# Altium PCB DDR3_Example.PcbDoc (part 3 of 6)
Units mm, origin at the board's own origin, x right, y up, seen from the top; angles counter-clockwise.
Board outline 133.38 x 30.03 mm, 6 copper layers (TOP, SPLIT1_L2, IN1_L3, IN2_L4, SPLIT2_L5, BOTTOM), stack 1.246 mm thick; 131 components, 227 nets, 1523 pads, 910 vias.
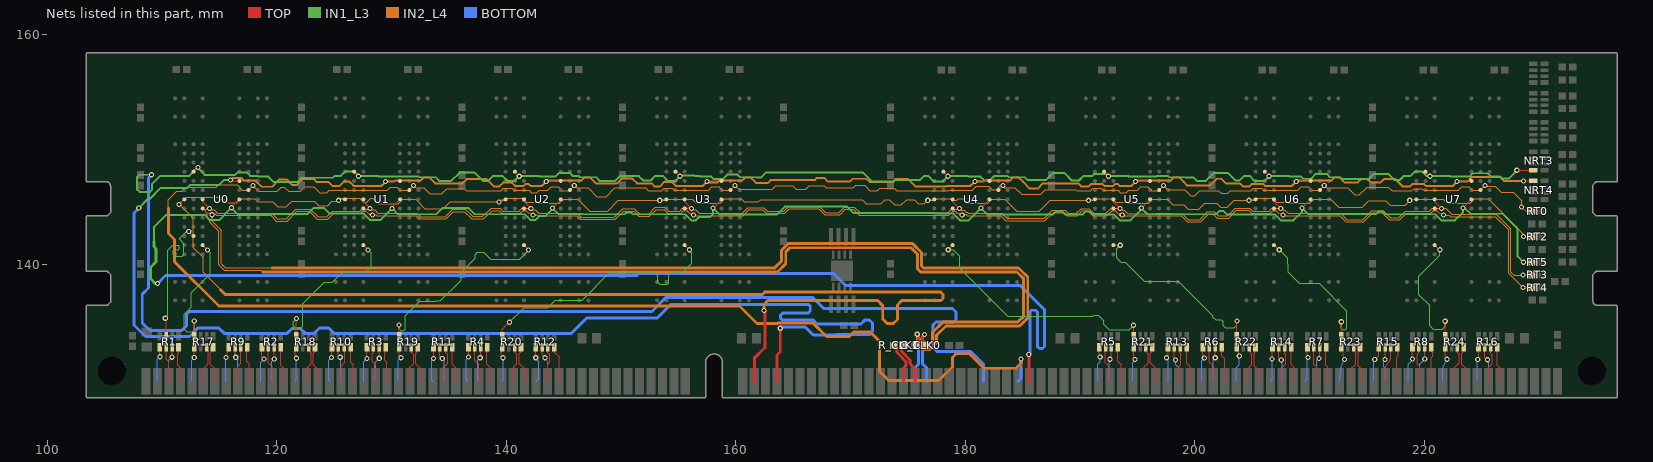
[diagram p7: the nets of this part, all layers, seen from the top]

## Via types
v1: diameter 0.45, hole 0.25, TOP to BOTTOM, 910 vias

## Nets (pads, with @x,y where several pads share a name; then routed paths per layer and width w, separated by ;. In a path a pad name is that pad's centre, name@x,y a point inside that pad or via, vN(x,y) a via of type N, cw(c..) or ccw(c..) an arc to the next point about the centre after c; other vN are vias at no path point) (continued)
BA1: NRT3.4 U0.K8 U1.K8 U2.K8 U3.K8 U4.K8 U5.K8 U6.K8 U7.K8 | length 237.9
  TOP w0.1: U0.K8@112.745,148.043 112.765,148.043 v1(113.148,148.426) ; U1.K8@126.745,148.043 127.126,147.662 v1(127.126,147.65) ; U2.K8@140.745,148.043 141.126,147.662 v1(141.126,147.65) ; U3.K8@154.745,148.043 155.126,147.662 v1(155.126,147.65) ; U4.K8@178.095,148.043 178.476,147.662 v1(178.476,147.65) ; U5.K8@192.095,148.043 192.476,147.662 v1(192.476,147.65) ; U6.K8@206.095,148.043 206.476,147.662 v1(206.476,147.65) ; U7.K8@220.095,148.043 220.476,147.662 v1(220.476,147.65) ; v1(228.056,148.167) NRT3.4@229.493,148.167
  IN1_L3 w0.1: v1@113.132,148.426 v1(113.148,148.426)
  IN1_L3 w0.17: v1(109.086,147.78) 108.056,147.78 107.816,147.54 107.816,146.52 108.056,146.28 108.951,146.28 109.121,146.45 109.121,146.955 109.846,147.68 112.386,147.68 v1@113.132,148.426 ; v1(113.148,148.426) 113.148,148.338 113.721,147.765 116.371,147.765 116.586,147.98 117.37,147.98 117.67,147.68 118.331,147.68 118.402,147.61 119.266,147.61 119.746,147.13 121.766,147.13 122.156,147.52 124.897,147.52 125.057,147.68 125.586,147.68 125.986,148.08 126.696,148.08 v1(127.126,147.65) 127.149,147.673 128.848,147.673 128.901,147.62 132.36,147.62 132.417,147.563 133.834,147.563 134.157,147.24 135.206,147.24 135.936,147.97 137.236,147.97 137.966,147.24 138.409,147.24 138.849,147.68 139.666,147.68 140.106,147.24 140.716,147.24 v1(141.126,147.65) 141.149,147.673 142.848,147.673 142.901,147.62 144.266,147.62 144.596,147.95 145.517,147.95 145.796,147.671 146.308,147.671 146.348,147.632 146.417,147.563 146.42,147.561 147.836,147.561 148.167,147.23 149.466,147.23 149.906,147.67 151.556,147.67 151.946,147.28 152.576,147.28 152.976,147.68 153.646,147.68 154.096,147.23 154.706,147.23 v1(155.126,147.65) 155.204,147.728 156.393,147.728 156.448,147.673 156.848,147.673 156.901,147.62 157.866,147.62 158.086,147.4 158.856,147.4 159.246,147.79 160.146,147.79 160.373,147.563 161.834,147.563 161.844,147.553 162.208,147.553 162.463,147.808 162.463,147.817 162.626,147.98 171.046,147.98 171.826,147.2 173.776,147.2 173.916,147.34 176.067,147.34 176.407,147.68 176.771,147.68 177.262,147.189 178.015,147.189 v1(178.476,147.65) 178.499,147.673 180.198,147.673 180.251,147.62 181.306,147.62 181.636,147.29 182.126,147.29 182.507,147.671 183.659,147.671 183.767,147.563 185.184,147.563 185.427,147.32 187.016,147.32 187.646,147.95 188.615,147.95 189.285,147.28 189.906,147.28 190.306,147.68 191.066,147.68 191.216,147.83 192.296,147.83 v1(192.476,147.65) 192.499,147.673 194.198,147.673 194.251,147.62 196.641,147.62 196.692,147.671 197.658,147.671 197.698,147.632 197.767,147.563 197.77,147.561 199.186,147.561 199.194,147.553 199.856,147.553 200.169,147.24 200.956,147.24 201.636,147.92 202.896,147.92 203.526,147.29 203.896,147.29 204.286,147.68 204.771,147.68 205.231,147.22 206.046,147.22 v1(206.476,147.65) 206.499,147.673 208.198,147.673 208.241,147.63 208.591,147.63 208.598,147.623 209.273,147.623 209.466,147.43 210.126,147.43 210.546,147.85 211.474,147.85 211.698,147.632 211.767,147.563 211.77,147.561 212.666,147.561 212.808,147.419 215.175,147.419 215.606,147.85 216.836,147.85 217.356,147.33 217.876,147.33 218.226,147.68 218.771,147.68 218.784,147.693 218.808,147.693 219.165,148.05 219.81,148.05 220.21,147.65 v1(220.476,147.65) 220.499,147.673 222.198,147.673 222.248,147.623 223.913,147.623 224.2,147.91 225.502,147.91 225.767,147.645 226.551,147.645 226.746,147.45 227.368,147.45 227.996,148.078 227.996,148.107 v1(228.056,148.167)
  BOTTOM w0.254: v1(109.086,147.78) 108.816,147.51 108.816,137.905 108.276,137.365 108.276,134.872 108.947,134.201 111.717,134.201 112.126,134.61 112.126,135.62 112.376,135.87 152.696,135.87 153.926,137.1 166.686,137.1 167.67,136.116 178.88,136.116 179.186,135.81 179.186,135.16 178.966,134.94 177.436,134.94 177.166,134.67 177.166,132.77 177.546,132.39 180.466,132.39 181.601,131.255 181.601,129.784
BA2: NRT4.1 U0.J3 U1.J3 U2.J3 U3.J3 U4.J3 U5.J3 U6.J3 U7.J3 | length 240.5
  TOP w0.1: v1(115.976,147.328) 116.061,147.243 U0.J3@116.746,147.243 ; v1(129.486,147.18) 129.549,147.243 U1.J3@130.746,147.243 ; v1(143.486,147.18) 143.549,147.243 U2.J3@144.746,147.243 ; v1(157.486,147.18) 157.549,147.243 U3.J3@158.746,147.243 ; v1(180.836,147.18) 180.899,147.243 U4.J3@182.096,147.243 ; v1(194.836,147.18) 194.899,147.243 U5.J3@196.096,147.243 ; v1(208.836,147.18) 208.899,147.243 U6.J3@210.096,147.243 ; v1(222.836,147.18) 222.899,147.243 U7.J3@224.096,147.243 ; v1(228.639,147.243) NRT4.1@229.493,147.243
  TOP w0.254: 163.601,129.784 163.601,132.065 163.876,132.34 v1(163.876,134.4)
  IN1_L3 w0.17: v1(107.976,144.88) 108.763,145.667 108.939,145.667 109.909,146.637 112.213,146.637 112.465,146.889 114.985,146.889 115.424,147.328 v1(115.976,147.328)
  IN2_L4 w0.17: v1(115.976,147.328) 116.128,147.48 116.936,147.48 117.139,147.277 117.358,147.277 117.364,147.271 118.135,147.271 118.673,146.733 119.599,146.733 120.236,147.37 120.856,147.37 121.346,146.88 121.746,146.88 122.276,147.41 123.216,147.41 123.221,147.415 123.49,147.146 124.51,147.146 124.85,146.806 125.472,146.806 125.876,147.21 126.296,147.21 126.7,146.806 128.357,146.806 128.364,146.799 129.105,146.799 v1(129.486,147.18) 130.212,147.18 130.326,147.294 131.348,147.294 131.371,147.271 132.547,147.271 132.696,147.42 ; 132.697,147.42 132.837,147.56 133.271,147.56 133.806,147.025 136.176,147.025 136.551,147.4 138.286,147.4 138.915,146.771 139.398,146.771 139.727,147.1 140.491,147.1 140.778,146.813 141.521,146.813 141.68,146.971 141.942,146.971 142.113,146.8 142.483,146.8 142.484,146.799 143.105,146.799 v1(143.486,147.18) 143.6,147.294 145.348,147.294 145.371,147.271 146.547,147.271 146.696,147.42 146.837,147.56 147.271,147.56 147.678,147.153 147.683,147.153 147.811,147.025 149.661,147.025 150.076,147.44 150.981,147.44 151.396,147.025 152.656,147.025 152.91,146.771 153.398,146.771 153.777,147.15 154.441,147.15 154.778,146.813 156.078,146.813 156.092,146.799 157.105,146.799 v1(157.486,147.18) 157.566,147.1 158.366,147.1 158.56,147.294 159.348,147.294 159.371,147.271 160.547,147.271 160.696,147.42 ; 160.697,147.42 160.837,147.56 161.271,147.56 161.678,147.153 161.683,147.153 161.756,147.08 162.816,147.08 163.041,147.305 166.866,147.305 167.071,147.51 167.696,147.51 168.026,147.18 169.936,147.18 170.186,147.43 171.376,147.43 171.656,147.15 173.656,147.15 173.906,147.4 175.016,147.4 175.661,146.755 178.317,146.755 178.361,146.799 180.438,146.799 180.782,147.143 180.799,147.143 v1(180.836,147.18) 181.562,147.18 181.676,147.294 182.698,147.294 182.721,147.271 183.897,147.271 184.046,147.42 ; 184.047,147.42 184.187,147.56 184.621,147.56 185.028,147.153 185.033,147.153 185.606,146.58 186.296,146.58 186.741,147.025 189.841,147.025 190.095,146.771 190.748,146.771 190.947,146.97 191.971,146.97 192.128,146.813 192.871,146.813 193.03,146.971 193.292,146.971 193.463,146.8 193.833,146.8 193.834,146.799 194.455,146.799 v1(194.836,147.18) 194.95,147.294 196.698,147.294 196.721,147.271 197.897,147.271 198.046,147.42 ; 198.047,147.42 198.187,147.56 198.621,147.56 199.028,147.153 199.033,147.153 199.346,146.84 201.306,146.84 201.896,147.43 202.301,147.43 202.706,147.025 203.931,147.025 204.185,146.771 204.748,146.771 204.947,146.97 205.971,146.97 206.128,146.813 207.428,146.813 207.442,146.799 208.455,146.799 v1(208.836,147.18) 208.95,147.294 210.698,147.294 210.721,147.271 211.897,147.271 212.046,147.42 ; 212.047,147.42 212.187,147.56 212.585,147.56 213.035,147.11 214.206,147.11 214.506,147.41 215.036,147.41 215.336,147.11 216.196,147.11 216.496,147.41 217.456,147.41 218.095,146.771 218.748,146.771 218.947,146.97 219.971,146.97 220.128,146.813 221.428,146.813 221.442,146.799 222.455,146.799 v1(222.836,147.18) 223.716,147.18 224.12,147.584 226.592,147.584 226.933,147.243 v1(228.639,147.243)
  BOTTOM w0.254: v1(107.976,144.88) 107.55,144.454 107.55,134.699 108.552,133.697 112.393,133.697 113.106,134.41 114.976,134.41 115.426,133.96 120.906,133.96 121.336,134.39 122.056,134.39 122.486,133.96 123.256,133.96 123.716,134.42 124.526,134.42 124.986,133.96 145.686,133.96 147.016,135.29 153.156,135.29 154.354,136.488 166.318,136.488 166.486,136.32 166.486,135.92 166.286,135.72 164.086,135.72 163.906,135.54 163.906,135.27 164.066,135.11 166.756,135.11 167.087,134.779 170.905,134.779 171.236,135.11 171.646,135.11 171.906,134.85 171.906,134.11 171.64,133.844 168.73,133.844 168.696,133.81 166.756,133.81 166.035,134.531 164.007,134.531 v1(163.876,134.4)
CAS: RT5.1 U0.G3 U1.G3 U2.G3 U3.G3 U4.G3 U5.G3 U6.G3 U7.G3 | length 240.9
  TOP w0.1: v1(116.042,144.904) 116.042,144.939 U0.G3@116.746,145.643 ; v1(130.056,144.845) 130.056,144.953 U1.G3@130.746,145.643 ; v1(144.016,144.879) 144.746,145.609 U2.G3@144.746,145.643 ; v1(158.026,144.88) 158.746,145.6 U3.G3@158.746,145.643 ; v1(181.356,144.88) 182.096,145.62 U4.G3@182.096,145.643 ; v1(195.336,144.879) 196.096,145.639 U5.G3@196.096,145.643 ; v1(209.346,144.879) 209.346,144.893 U6.G3@210.096,145.643 ; v1(223.376,144.879) 223.376,144.909 224.096,145.629 U7.G3@224.096,145.643 ; v1(228.626,140.159) RT5.1@229.369,140.159
  TOP w0.254: v1(185.529,132.128) 185.563,132.128 185.563,129.822 185.601,129.784
  IN1_L3 w0.1: v1@116.04,144.904 v1(116.042,144.904)
  IN1_L3 w0.17: 109.296,141.96 109.296,143.2 110.376,144.28 113.716,144.28 114.161,143.835 114.971,143.835 v1@116.04,144.904 ; v1(116.042,144.904) 116.576,144.37 122.696,144.37 123.216,144.89 124.106,144.89 124.607,144.389 127.587,144.389 128.149,143.827 129.038,143.827 v1(130.056,144.845) 130.561,144.34 133.896,144.34 134.446,144.89 136.696,144.89 137.246,144.34 141.616,144.34 142.135,143.821 142.517,143.821 142.866,144.17 143.416,144.17 144.016,144.77 v1(144.016,144.879) 144.555,144.34 145.335,144.34 145.34,144.345 146.568,144.345 146.573,144.34 150.306,144.34 150.456,144.49 150.886,144.49 151.036,144.34 155.599,144.34 156.135,143.804 156.517,143.804 156.793,144.08 157.746,144.08 158.026,144.36 v1(158.026,144.88) 158.576,144.33 163.606,144.33 164.306,145.03 169.666,145.03 170.266,144.43 177.301,144.43 177.338,144.393 178.953,144.393 179.266,144.08 179.266,144.073 179.535,143.804 180.28,143.804 v1(181.356,144.88) 181.906,144.33 187.636,144.33 187.866,144.56 188.456,144.56 188.686,144.33 190.246,144.33 190.496,144.58 190.856,144.58 191.106,144.33 192.936,144.33 193.462,143.804 194.39,143.804 195.336,144.75 v1(195.336,144.879) 195.875,144.34 196.685,144.34 196.69,144.345 197.918,144.345 197.923,144.34 201.856,144.34 202.136,144.62 202.506,144.62 202.826,144.3 206.989,144.3 207.485,143.804 208.59,143.804 209.346,144.56 v1(209.346,144.879) ; v1(209.346,144.879) 209.886,144.34 210.685,144.34 210.69,144.345 215.751,144.345 215.976,144.57 216.376,144.57 216.606,144.34 220.949,144.34 221.485,143.804 222.65,143.804 223.376,144.53 v1(223.376,144.879) 223.537,144.879 224.043,144.373 225.634,144.373 225.641,144.38 226.826,144.38 228.126,143.08 228.126,140.659 v1(228.626,140.159)
  IN1_L3 w0.254: 109.296,141.96 109.296,141.52 109.476,141.34 109.476,140.2 108.986,139.71 108.986,138.74 109.436,138.29 v1(109.606,138.29)
  BOTTOM w0.254: v1(109.606,138.29) 110.306,138.99 151.386,138.99 151.584,139.188 168.508,139.188 169.564,138.132 184.784,138.132 186.896,136.02 186.896,132.821 186.715,132.64 186.466,132.64 186.276,132.83 186.276,135.82 186.12,135.976 185.762,135.976 185.626,135.84 185.626,132.225 v1(185.529,132.128)
CDM<0>: R17.1 | length 3.1
  TOP w0.1: v1(112.813,131.843) R17.1@112.813,132.747
  BOTTOM w0.1: 112.601,129.784 112.601,131.631 v1(112.813,131.843)
CDM<1>: R18.1 | length 3.1
  TOP w0.1: v1(121.713,131.793) 121.626,131.88 121.626,132.66 R18.1@121.713,132.747
  BOTTOM w0.1: 121.601,129.784 121.713,129.896 v1(121.713,131.793)
CDM<2>: R19.1 | length 3.1
  TOP w0.1: R19.1@130.663,132.747 130.663,131.993 v1(130.826,131.83)
  BOTTOM w0.1: 130.601,129.784 130.601,131.605 v1(130.826,131.83)
CDM<3>: R20.1 | length 3.1
  TOP w0.1: R20.1@139.663,132.747 139.663,132.38 139.576,132.293 139.576,131.98 v1(139.726,131.83)
  BOTTOM w0.1: 139.601,129.784 139.726,129.909 v1(139.726,131.83)
CDM<4>: R21.1 | length 3.1
  TOP w0.1: R21.1@194.663,132.747 194.663,131.833 194.776,131.72 v1(194.776,131.69)
  BOTTOM w0.1: 194.601,129.784 194.601,131.405 194.776,131.58 v1(194.776,131.69)
CDM<5>: R22.1 | length 3.1
  TOP w0.1: R22.1@203.663,132.747 203.663,132.688 203.859,131.98 v1(203.876,131.98)
  BOTTOM w0.1: 203.601,129.784 203.601,130.955 203.876,131.23 v1(203.876,131.98)
CDM<6>: R23.1 | length 3.1
  TOP w0.1: R23.1@212.763,132.747 212.763,132.685 213.011,131.68 v1(213.026,131.68)
  BOTTOM w0.1: 212.601,129.784 212.763,131.03 v1(213.026,131.68)
CDM<7>: R24.1 | length 3.1
  TOP w0.1: R24.1@221.813,132.747 221.813,131.843 221.947,131.709 v1(221.976,131.709)
  BOTTOM w0.1: 221.601,129.784 221.601,130.98 v1(221.976,131.709)
CDQ<0>: R1.2 | length 3.1
  TOP w0.1: R1.2@110.372,132.747 110.372,131.709 110.601,131.48 110.601,129.784
CDQ<1>: R1.4 | length 3.1
  TOP w0.1: R1.4@111.439,132.747 111.439,132.28 111.376,132.217 111.376,131.18 111.601,130.955 111.601,129.784
CDQ<2>: R9.3 | length 3.1
  TOP w0.1: 116.601,129.784 116.601,131.055 116.88,131.334 R9.3@116.88,132.747
CDQ<3>: R9.4 | length 3.1
  TOP w0.1: R9.4@117.439,132.747 117.376,132.684 117.376,131.522 117.601,131.297 117.601,129.784
CDQ<4>: R1.1 | length 3.1
  TOP w0.1: v1(109.813,131.917) R1.1@109.813,132.747
  BOTTOM w0.1: 109.601,129.784 109.601,131.705 v1(109.813,131.917)
CDQ<5>: R1.3 | length 3.1
  TOP w0.1: v1(110.88,131.884) R1.3@110.88,132.747
  BOTTOM w0.1: 110.601,129.784 110.601,131.605 v1(110.88,131.884)
CDQ<6>: R9.1 | length 3.1
  TOP w0.1: v1(115.566,131.87) 115.611,131.87 115.813,132.587 R9.1@115.813,132.747
  BOTTOM w0.1: v1(115.566,131.87) 115.566,129.819 115.601,129.784
CDQ<7>: R9.2 | length 3.1
  TOP w0.1: R9.2@116.372,132.747 116.372,131.929 v1(116.429,131.872)
  BOTTOM w0.1: v1(116.429,131.872) 116.41,131.853 116.41,131.851 116.601,131.66 116.601,129.784
CDQ<8>: R2.2 | length 3.1
  TOP w0.1: R2.2@119.272,132.747 119.278,132.741 119.278,131.378 119.601,131.055 119.601,129.784
CDQ<9>: R2.4 | length 3.1
  TOP w0.1: R2.4@120.339,132.747 120.339,131.167 120.601,130.905 120.601,129.784
CDQ<10>: R10.3 | length 3.1
  TOP w0.1: 125.601,129.784 125.601,131.105 125.946,131.45 125.946,132.681 R10.3@125.88,132.747
CDQ<11>: R10.4 | length 3.1
  TOP w0.1: R10.4@126.439,132.747 126.439,131.442 126.676,131.205 126.676,129.859 126.601,129.784
CDQ<12>: R2.1 | length 3.1
  TOP w0.1: R2.1@118.713,132.747 118.713,131.893 v1(118.876,131.73)
  BOTTOM w0.1: 118.601,129.784 118.601,131.455 v1(118.876,131.73)
CDQ<13>: R2.3 | length 3.1
  TOP w0.1: v1(119.78,131.734) R2.3@119.78,132.747
  BOTTOM w0.1: 119.601,129.784 119.576,129.809 119.576,131.53 v1(119.78,131.734)
CDQ<14>: R10.1 | length 3.1
  TOP w0.1: v1(124.776,131.852) 124.813,131.852 R10.1@124.813,132.747
  BOTTOM w0.1: 124.601,129.784 124.526,129.859 124.526,131.602 v1(124.776,131.852)
CDQ<15>: R10.2 | length 3.1
  TOP w0.1: R10.2@125.372,132.747 125.372,132.036 v1(125.526,131.882)
  BOTTOM w0.1: v1(125.526,131.882) 125.576,131.832 125.576,129.809 125.601,129.784
CDQ<16>: R3.2 | length 3.1
  TOP w0.1: R3.2@128.422,132.747 128.422,132.28 128.336,132.194 128.336,131.495 128.601,131.23 128.601,129.784
CDQ<17>: R3.4 | length 3.1
  TOP w0.1: R3.4@129.489,132.747 129.489,132.33 129.426,132.267 129.426,131.605 129.601,131.43 129.601,129.784
CDQ<18>: R11.3 | length 3.1
  TOP w0.1: 134.601,129.784 134.601,131.055 134.891,131.345 134.891,132.119 134.73,132.28 R11.3@134.73,132.747
CDQ<19>: R11.4 | length 3.1
  TOP w0.1: R11.4@135.289,132.747 135.289,131.267 135.601,130.955 135.601,129.784
CDQ<20>: R3.1 | length 3.1
  TOP w0.1: v1(127.863,131.767) R3.1@127.863,132.747
  BOTTOM w0.1: 127.601,129.784 127.601,131.505 v1(127.863,131.767)
CDQ<21>: R3.3 | length 3.1
  TOP w0.1: v1(128.93,131.784) R3.3@128.93,132.747
  BOTTOM w0.1: 128.601,129.784 128.601,131.455 v1(128.93,131.784)
CDQ<22>: R11.1 | length 3.1
  TOP w0.1: v1(133.663,131.78) R11.1@133.663,132.747
  BOTTOM w0.1: 133.601,129.784 133.526,129.859 133.526,131.643 v1(133.663,131.78)
CDQ<23>: R11.2 | length 3.1
  TOP w0.1: R11.2@134.222,132.747 134.222,131.984 v1(134.426,131.78)
  BOTTOM w0.1: v1(134.426,131.78) 134.601,131.605 134.601,129.784
CDQ<24>: R4.2 | length 3.1
  TOP w0.1: R4.2@137.272,132.747 137.272,131.584 137.601,131.255 137.601,129.784
CDQ<25>: R4.4 | length 3.1
  TOP w0.1: R4.4@138.339,132.747 138.339,132.32 138.286,132.267 138.286,131.27 138.601,130.955 138.601,129.784
CDQ<26>: R12.3 | length 3.1
  TOP w0.1: 143.601,129.784 143.601,131.28 143.778,131.457 143.778,132.132 143.63,132.28 R12.3@143.63,132.747
CDQ<27>: R12.4 | length 3.1
  TOP w0.1: R12.4@144.189,132.747 144.189,132.317 144.601,131.905 144.601,129.784
CDQ<28>: R4.1 | length 3.1
  TOP w0.1: v1(136.713,131.893) R4.1@136.713,132.747
  BOTTOM w0.1: 136.601,129.784 136.526,129.859 136.526,131.706 v1(136.713,131.893)
CDQ<29>: R4.3 | length 3.1
  TOP w0.1: v1(137.726,131.83) 137.78,131.884 R4.3@137.78,132.747
  BOTTOM w0.1: 137.601,129.784 137.526,129.859 137.526,131.63 v1(137.726,131.83)
CDQ<30>: R12.1 | length 3.1
  TOP w0.1: v1(142.563,131.83) R12.1@142.563,132.747
  BOTTOM w0.1: v1(142.563,131.83) 142.826,131.43 142.826,130.009 142.601,129.784
CDQ<31>: R12.2 | length 3.1
  TOP w0.1: R12.2@143.122,132.747 143.122,132.084 v1(143.376,131.83)
  BOTTOM w0.1: v1(143.376,131.83) 143.601,131.38 143.601,129.784
CDQ<32>: R5.2 | length 3.1
  TOP w0.1: R5.2@192.222,132.747 192.199,132.724 192.199,131.43 192.601,131.028 192.601,129.784
CDQ<33>: R5.4 | length 3.1
  TOP w0.1: R5.4@193.289,132.747 193.289,131.527 193.601,131.215 193.601,129.784
CDQ<34>: R13.3 | length 3.1
  TOP w0.1: 198.601,129.784 198.601,131.053 198.778,131.23 198.778,132.147 198.73,132.195 R13.3@198.73,132.747
CDQ<35>: R13.4 | length 3.1
  TOP w0.1: R13.4@199.289,132.747 199.289,131.367 199.601,131.055 199.601,129.784
CDQ<36>: R5.1 | length 3.1
  TOP w0.1: R5.1@191.663,132.747 191.663,131.973 191.746,131.89 191.746,131.893 v1(191.751,131.893)
  BOTTOM w0.1: 191.601,129.784 191.526,129.859 191.526,131.268 191.746,131.488 191.746,131.89 191.749,131.893 v1(191.751,131.893)
CDQ<37>: R5.3 | length 3
  TOP w0.1: v1(192.601,131.705) 192.73,131.834 R5.3@192.73,132.747
  BOTTOM w0.1: 192.601,129.784 192.561,129.824 192.561,131.665 v1(192.601,131.705)
CDQ<38>: R13.1 | length 3.1
  TOP w0.1: v1(197.526,131.83) 197.663,131.967 R13.1@197.663,132.747
  BOTTOM w0.1: v1(197.526,131.83) 197.663,131.693 197.663,129.846 197.601,129.784
CDQ<39>: R13.2 | length 3.1
  TOP w0.1: R13.2@198.222,132.747 198.222,131.734 v1(198.326,131.63)
  BOTTOM w0.1: v1(198.326,131.63) 198.326,131.23 198.601,130.955 198.601,129.784
CDQ<40>: R6.2 | length 3.1
  TOP w0.1: R6.2@201.272,132.747 201.272,131.434 201.601,131.105 201.601,129.784
CDQ<41>: R6.4 | length 3.1
  TOP w0.1: R6.4@202.339,132.747 202.339,132.017 202.601,131.755 202.601,129.784
CDQ<42>: R14.3 | length 3.1
  TOP w0.1: 207.601,129.784 207.601,131.003 207.928,131.33 207.928,132.097 207.83,132.195 R14.3@207.83,132.747
CDQ<43>: R14.4 | length 3.1
  TOP w0.1: R14.4@208.389,132.747 208.389,131.242 208.601,131.03 208.601,129.784
CDQ<44>: R6.1 | length 3.1
  TOP w0.1: R6.1@200.713,132.747 200.686,132.72 200.686,131.94 v1(200.826,131.8)
  BOTTOM w0.1: 200.601,129.784 200.601,131.575 v1(200.826,131.8)
CDQ<45>: R6.3 | length 3
  TOP w0.1: v1(201.78,131.834) 201.795,131.849 201.795,132.732 R6.3@201.78,132.747
  BOTTOM w0.1: 201.601,129.784 201.601,131.655 v1(201.78,131.834)
CDQ<46>: R14.1 | length 3.1
  TOP w0.1: v1(206.716,131.717) 206.736,131.737 206.736,132.72 R14.1@206.763,132.747
  BOTTOM w0.1: 206.601,129.784 206.766,129.949 206.766,131.667 v1(206.716,131.717)
CDQ<47>: R14.2 | length 3.1
  TOP w0.1: R14.2@207.322,132.747 207.322,131.834 v1(207.526,131.63)
  BOTTOM w0.1: v1(207.526,131.63) 207.601,131.555 207.601,129.784
CDQ<48>: R7.2 | length 3.1
  TOP w0.1: R7.2@210.372,132.747 210.372,131.259 210.601,131.03 210.601,129.784
CDQ<49>: R7.4 | length 3.1
  TOP w0.1: R7.4@211.439,132.747 211.414,132.722 211.414,131.192 211.601,131.005 211.601,129.784
CDQ<50>: R15.3 | length 3.1
  TOP w0.1: 216.601,129.784 216.601,131.013 217.08,131.688 R15.3@217.08,132.747
CDQ<51>: R15.4 | length 3.1
  TOP w0.1: 217.601,129.784 217.601,131.451 217.6,131.452 217.6,131.866 217.725,131.991 217.725,132.331 217.639,132.417 R15.4@217.639,132.747
CDQ<52>: R7.1 | length 3.1
  TOP w0.1: R7.1@209.813,132.747 209.813,131.883 v1(209.846,131.85)
  BOTTOM w0.1: 209.601,129.784 209.813,129.996 209.813,131.817 v1(209.846,131.85)
CDQ<53>: R7.3 | length 3.1
  TOP w0.1: v1(210.826,131.78) 210.88,131.834 R7.3@210.88,132.747
  BOTTOM w0.1: 210.601,129.784 210.601,131.555 v1(210.826,131.78)
CDQ<54>: R15.1 | length 3.1
  TOP w0.1: v1(215.676,131.68) 216.013,132.017 R15.1@216.013,132.747
  BOTTOM w0.1: 215.601,129.784 215.601,131.605 v1(215.676,131.68)
CDQ<55>: R15.2 | length 3.1
  TOP w0.1: v1(216.572,131.68) R15.2@216.572,132.747
  BOTTOM w0.1: v1(216.572,131.68) 216.481,131.589 216.481,131.05 216.601,130.93 216.601,129.784
CDQ<56>: R8.2 | length 3.1
  TOP w0.1: R8.2@219.522,132.747 219.522,132.28 219.376,132.134 219.376,131.33 219.601,131.105 219.601,129.784
CDQ<57>: R8.4 | length 3.1
  TOP w0.1: R8.4@220.589,132.747 220.589,132.4 220.709,132.28 220.709,131.975 220.6,131.866 220.6,131.452 220.601,131.451 220.601,129.784
CDQ<58>: R16.3 | length 3.1
  TOP w0.1: 225.601,129.784 225.601,131.003 225.898,131.3 225.898,132.072 225.78,132.19 R16.3@225.78,132.747
CDQ<59>: R16.4 | length 3.1
  TOP w0.1: R16.4@226.339,132.747 226.339,131.167 226.601,130.905 226.601,129.784
CDQ<60>: R8.1 | length 3.1
  TOP w0.1: v1(218.963,131.73) R8.1@218.963,132.747
  BOTTOM w0.1: 218.601,129.784 218.601,131.255 218.963,131.617 v1(218.963,131.73)
CDQ<61>: R8.3 | length 3.1
  TOP w0.1: v1(220.03,131.73) R8.3@220.03,132.747
  BOTTOM w0.1: 219.601,129.784 219.601,131.255 220.03,131.684 v1(220.03,131.73)
CDQ<62>: R16.1 | length 3.1
  TOP w0.1: v1(224.656,131.684) 224.627,131.684 224.626,131.683 224.679,131.683 224.746,131.75 224.746,132.714 R16.1@224.713,132.747
  BOTTOM w0.1: 224.601,129.784 224.601,131.629 v1(224.656,131.684)
CDQ<63>: R16.2 | length 3.1
  TOP w0.1: R16.2@225.272,132.747 225.272,131.884 v1@225.496,131.66
  BOTTOM w0.1: v1(225.496,131.659) 225.601,131.554 225.601,129.784
CDQS*<0>: R17.3 | length 3.2
  TOP w0.1: 113.601,129.784 113.601,130.882 114.026,131.307 114.026,132.127 113.88,132.648 R17.3@113.88,132.747
CDQS*<1>: R18.3 | length 3.2
  TOP w0.1: 122.601,129.784 122.601,130.905 122.992,131.296 122.992,132.213 122.78,132.426 R18.3@122.78,132.747
CDQS*<2>: R19.3 | length 3.2
  TOP w0.1: 131.601,129.784 131.601,131.001 131.926,131.326 131.926,132.134 131.73,132.33 R19.3@131.73,132.747
CDQS*<3>: R20.3 | length 3.2
  TOP w0.1: 140.601,129.784 140.601,130.982 140.925,131.306 140.925,132.135 140.73,132.33 R20.3@140.73,132.747
CDQS*<4>: R21.3 | length 3.2
  TOP w0.1: 195.601,129.784 195.601,131.03 195.925,131.354 195.925,132.181 195.73,132.376 R21.3@195.73,132.747
CDQS*<5>: R22.3 | length 3.2
  TOP w0.1: 204.601,129.784 204.601,130.855 204.967,131.221 204.967,132.189 204.73,132.426 R22.3@204.73,132.747
CDQS*<6>: R23.3 | length 3.2
  TOP w0.1: 213.601,129.784 213.601,130.855 214.025,131.279 214.025,132.231 213.83,132.426 R23.3@213.83,132.747
CDQS*<7>: R24.3 | length 3.2
  TOP w0.1: 222.601,129.784 222.601,130.951 223.052,131.402 223.052,132.154 222.88,132.326 R24.3@222.88,132.747
CDQS<0>: R17.4 | length 3.2
  TOP w0.1: R17.4@114.439,132.747 114.439,132.653 114.226,132.138 114.226,131.28 114.601,130.905 114.601,129.784
CDQS<1>: R18.4 | length 3.2
  TOP w0.1: R18.4@123.339,132.747 123.339,132.393 123.193,132.248 123.193,131.212 123.601,130.805 123.601,129.784
CDQS<2>: R19.4 | length 3.2
  TOP w0.1: R19.4@132.289,132.747 132.127,132.08 132.127,131.329 132.601,130.855 132.601,129.784
CDQS<3>: R20.4 | length 3.2
  TOP w0.1: R20.4@141.289,132.747 141.289,132.343 141.126,132.18 141.126,131.329 141.601,130.855 141.601,129.784
CDQS<4>: R21.4 | length 3.2
  TOP w0.1: R21.4@196.289,132.747 196.289,132.393 196.126,132.23 196.126,131.38 196.601,130.905 196.601,129.784
CDQS<5>: R22.4 | length 3.2
  TOP w0.1: R22.4@205.289,132.747 205.289,132.416 205.157,132.284 205.168,132.273 205.168,131.137 205.601,130.705 205.601,129.784
CDQS<6>: R23.4 | length 3.2
  TOP w0.1: R23.4@214.389,132.747 214.389,132.443 214.226,132.28 214.226,131.13 214.601,130.755 214.601,129.784
CDQS<7>: R24.4 | length 3.2
  TOP w0.1: R24.4@223.439,132.747 223.439,132.393 223.253,132.207 223.253,131.253 223.601,130.905 223.601,129.784
CK0: C_CLK0.1 RT4.1 U0.F7 U1.F7 U2.F7 U3.F7 U4.F7 U5.F7 U6.F7 U7.F7 | length 237
  TOP w0.1: U0.F7@113.545,144.843 113.962,144.427 114.233,144.427 v1(114.365,144.295) ; U1.F7@127.545,144.843 127.918,144.47 ; 127.919,144.47 127.962,144.427 128.219,144.427 128.344,144.302 v1(128.344,144.287) ; U2.F7@141.545,144.843 141.908,144.48 141.962,144.427 142.219,144.427 142.326,144.32 v1(142.326,144.281) ; U3.F7@155.545,144.843 155.545,144.841 155.846,144.54 155.849,144.54 155.962,144.427 156.189,144.427 156.326,144.29 v1(156.326,144.264) ; U4.F7@178.895,144.843 178.895,144.821 179.226,144.49 v1(179.726,144.264) v1@179.72,144.264 ; U5.F7@192.895,144.843 192.895,144.841 193.266,144.47 193.269,144.47 193.312,144.427 193.539,144.427 193.676,144.29 v1(193.676,144.264) ; U6.F7@206.895,144.843 206.895,144.841 207.286,144.45 207.289,144.45 207.312,144.427 207.539,144.427 207.676,144.29 v1(207.676,144.264) ; U7.F7@220.895,144.843 221.312,144.427 221.539,144.427 221.676,144.29 v1(221.676,144.264) ; v1(228.606,137.949) RT4.1@229.369,137.949
  TOP w0.254: C_CLK0.1@175.649,132.92 175.649,133.117 175.922,133.39 175.922,133.773 175.92,133.775 v1(175.816,133.88)
  IN2_L4 w0.1: 115.419,139.746 115.146,140.021 115.146,142.96 114.365,143.741 v1(114.365,144.295) 114.46,144.39 114.589,144.39 114.739,144.24 119.483,144.24 119.973,143.75 120.916,143.75 121.756,144.59 122.843,144.59 123.523,143.91 124.459,143.91 124.959,144.41 127.299,144.41 127.469,144.58 127.809,144.58 128.102,144.287 v1(128.344,144.287) 128.357,144.3 128.626,144.3 128.706,144.22 132.17,144.22 132.46,143.93 134.756,143.93 135.396,144.57 136.356,144.57 136.976,143.95 138.046,143.95 138.756,144.66 139.376,144.66 139.616,144.42 141.201,144.42 141.271,144.49 141.328,144.548 141.433,144.652 141.734,144.652 141.966,144.42 142.187,144.42 v1(142.326,144.281) 142.344,144.287 142.367,144.31 142.616,144.31 142.706,144.22 146.12,144.22 146.45,143.89 149.509,143.89 150.219,144.6 151.086,144.6 151.536,144.15 152.476,144.15 153.056,144.73 153.746,144.73 154.056,144.42 155.201,144.42 155.271,144.49 155.328,144.548 155.431,144.65 155.736,144.65 156.146,144.24 156.302,144.24 v1(156.326,144.264) 156.37,144.22 160.646,144.22 161.136,144.71 162.356,144.71 162.656,144.41 164.266,144.41 164.666,144.81 167.226,144.81 167.746,144.29 169.07,144.29 169.2,144.42 ; 115.42,139.746 115.497,139.669 119.596,139.669 ; 169.201,144.42 169.271,144.49 169.328,144.548 169.551,144.77 170.246,144.77 170.752,144.264 178.56,144.264 178.886,144.59 179.149,144.59 179.312,144.427 179.539,144.427 179.702,144.264 v1(179.726,144.264) 179.792,144.33 180.073,144.33 180.183,144.22 183.086,144.22 183.526,143.78 186.939,143.78 187.649,144.49 188.616,144.49 188.896,144.21 189.766,144.21 190.186,144.63 190.673,144.63 191.093,144.21 192.337,144.21 192.467,144.34 192.47,144.34 192.782,144.652 193.084,144.652 193.472,144.264 v1(193.676,144.264) 193.75,144.19 198.836,144.19 199.346,143.68 200.496,143.68 201.171,144.355 201.611,144.355 201.956,144.01 202.783,144.01 202.784,144.009 202.948,144.009 203.619,144.68 204.706,144.68 204.967,144.419 205.131,144.419 205.132,144.42 206.551,144.42 206.781,144.65 207.086,144.65 207.316,144.42 207.52,144.42 v1(207.676,144.264) 207.72,144.22 212.616,144.22 213.156,143.68 214.546,143.68 214.547,143.679 214.711,143.679 215.492,144.46 216.313,144.46 216.924,143.849 217.088,143.849 217.089,143.85 217.856,143.85 218.426,144.42 220.551,144.42 220.617,144.485 220.618,144.486 220.678,144.547 220.771,144.64 221.096,144.64 221.316,144.42 221.537,144.42 221.676,144.281 v1(221.676,144.264) 222.149,144.264 222.293,144.12 226.196,144.12 227.336,142.98 227.336,139.217 227.823,138.73 227.825,138.73 v1(228.606,137.949)
  IN2_L4 w0.254: 119.596,139.669 163.395,139.669 163.996,140.27 163.996,141.22 164.55,141.774 175.119,141.774 175.12,141.775 175.412,141.775 176.17,141.017 176.17,139.836 176.339,139.667 184.639,139.667 185.436,138.87 185.436,135.31 184.736,134.61 178.316,134.61 177.5,133.794 177.5,133.144 176.906,132.55 176.296,132.55 175.816,133.03 v1(175.816,133.88)
  BOTTOM w0.254: 175.601,129.784 175.601,130.945 175.932,131.276 175.932,133.764 v1(175.816,133.88)
CK0*: C_CLK0.2 RT3.1 U0.G7 U1.G7 U2.G7 U3.G7 U4.G7 U5.G7 U6.G7 U7.G7 | length 236.9
  TOP w0.1: U0.G7@113.545,145.643 113.545,145.446 v1(114.139,144.852) ; U1.G7@127.545,145.643 127.545,145.451 128.139,144.857 v1(128.139,144.852) ; U2.G7@141.545,145.643 141.545,145.446 v1(142.139,144.852) ; U3.G7@155.545,145.643 155.545,145.446 v1(156.139,144.852) ; U4.G7@178.895,145.643 178.895,145.446 v1(179.489,144.852) ; U5.G7@192.895,145.643 192.895,145.446 v1(193.489,144.852) ; U6.G7@206.895,145.643 206.895,145.446 v1(207.489,144.852) ; U7.G7@220.895,145.643 220.895,145.446 v1(221.489,144.852) ; v1(228.596,139.059) RT3.1@229.369,139.059
  TOP w0.254: v1(176.448,133.87) 176.448,133.842 176.276,133.67 176.276,133.38 176.563,133.093 C_CLK0.2@176.563,132.92
  IN2_L4 w0.1: 118.776,139.315 118.623,139.468 115.415,139.468 115.414,139.469 115.412,139.469 115.308,139.573 114.946,139.938 114.945,139.94 114.946,140.106 114.946,142.877 114.165,143.658 114.165,143.893 113.94,144.118 113.94,144.366 113.806,144.5 113.806,144.75 113.966,144.91 114.081,144.91 v1(114.139,144.852) 114.271,144.72 114.542,144.72 114.822,144.44 119.566,144.44 120.056,143.95 120.833,143.95 121.673,144.79 122.926,144.79 123.606,144.11 124.376,144.11 124.876,144.61 127.216,144.61 127.386,144.78 128.067,144.78 v1(128.139,144.852) 128.279,144.712 128.521,144.712 128.813,144.42 132.087,144.42 ; v1(228.596,139.059) 228.547,139.01 227.826,139.01 227.536,139.3 227.536,143.063 226.278,144.321 226.114,144.321 226.113,144.32 222.376,144.32 221.844,144.852 v1(221.489,144.852) 221.477,144.84 220.688,144.84 220.648,144.8 220.645,144.8 220.533,144.686 220.467,144.62 218.343,144.62 217.773,144.05 217.006,144.05 216.396,144.66 215.409,144.66 214.629,143.88 213.239,143.88 212.699,144.42 208.122,144.42 207.853,144.689 207.727,144.689 207.564,144.852 v1(207.489,144.852) 206.697,144.852 206.533,144.686 206.467,144.62 205.049,144.62 204.789,144.88 203.536,144.88 202.866,144.21 202.039,144.21 201.694,144.555 201.088,144.555 200.413,143.88 199.429,143.88 198.919,144.39 194.152,144.39 193.853,144.689 193.727,144.689 193.564,144.852 v1(193.489,144.852) 192.696,144.852 192.254,144.41 191.176,144.41 190.756,144.83 190.269,144.83 190.268,144.831 190.104,144.831 189.683,144.41 188.979,144.41 188.698,144.691 188.534,144.691 188.533,144.69 187.732,144.69 187.731,144.691 187.567,144.691 186.856,143.98 183.609,143.98 183.169,144.42 180.266,144.42 180.156,144.53 180.062,144.53 179.903,144.689 179.652,144.689 v1(179.489,144.852) 179.427,144.79 178.786,144.79 178.46,144.464 170.835,144.464 170.329,144.97 169.468,144.97 169.35,144.852 169.346,144.852 169.183,144.686 168.987,144.49 167.829,144.49 167.309,145.01 164.749,145.01 164.748,145.011 164.584,145.011 164.183,144.61 162.739,144.61 162.438,144.911 162.274,144.911 162.273,144.91 161.053,144.91 160.563,144.42 156.813,144.42 156.521,144.712 156.279,144.712 v1(156.139,144.852) 156.081,144.91 155.856,144.91 155.796,144.85 155.345,144.85 155.3,144.805 155.183,144.686 155.117,144.62 154.139,144.62 153.829,144.93 152.973,144.93 152.393,144.35 151.619,144.35 151.169,144.8 150.136,144.8 149.426,144.09 146.533,144.09 146.202,144.421 146.038,144.421 146.037,144.42 142.813,144.42 142.521,144.712 142.279,144.712 v1(142.139,144.852) 141.346,144.852 141.183,144.686 141.117,144.62 139.699,144.62 139.459,144.86 138.673,144.86 137.963,144.15 137.059,144.15 136.439,144.77 135.479,144.77 135.478,144.771 135.314,144.771 134.673,144.13 132.543,144.13 132.252,144.421 132.088,144.421 ; 132.087,144.42 132.088,144.421
  IN2_L4 w0.254: 118.776,139.315 163.641,139.315 164.35,140.024 164.35,140.234 164.351,140.235 164.351,140.387 164.35,140.388 164.35,141.073 164.697,141.42 175.266,141.42 175.816,140.87 175.816,139.61 176.113,139.313 184.492,139.313 185.082,138.723 185.082,135.457 184.589,134.964 178.08,134.964 177.146,134.03 177.146,133.291 176.759,132.904 176.443,132.904 176.17,133.177 176.17,133.524 176.318,133.672 176.318,133.722 176.386,133.79 176.386,133.808 v1(176.448,133.87)
  BOTTOM w0.254: v1(176.448,133.87) 176.448,133.802 176.286,133.64 176.286,131.295 176.601,130.98 176.601,129.784
CK1: R_CLK1.1 | length 3.7
  TOP w0.254: R_CLK1.1@173.777,132.92 173.802,132.895 173.802,132.724 174.036,132.49 174.036,132.29 174.836,131.49 174.836,131.185 174.848,131.172 174.601,130.925 174.601,129.784
CK1*: R_CLK1.2 | length 3.8
  TOP w0.254: R_CLK1.2@174.691,132.92 174.666,132.92 174.416,132.67 174.416,132.411 175.19,131.637 175.19,131.324 175.339,131.162 175.311,131.134 175.601,130.845 175.601,129.784
CKE0: RT2.1 U0.G9 U1.G9 U2.G9 U3.G9 U4.G9 U5.G9 U6.G9 U7.G9 | length 232.9
  TOP w0.1: v1(111.476,145.18) 111.939,145.643 U0.G9@111.945,145.643 ; v1(125.376,145.552) 125.467,145.643 U1.G9@125.945,145.643 ; v1(139.376,145.42) 139.599,145.643 U2.G9@139.945,145.643 ; v1(153.376,145.552) 153.467,145.643 U3.G9@153.945,145.643 ; v1(176.726,145.552) 176.817,145.643 U4.G9@177.295,145.643 ; v1(190.726,145.552) 190.817,145.643 U5.G9@191.295,145.643 ; v1(204.726,145.552) 204.817,145.643 U6.G9@205.295,145.643 ; v1(218.726,145.552) 218.817,145.643 U7.G9@219.295,145.643 ; v1(228.636,142.399) RT2.1@229.369,142.399
  TOP w0.254: 161.601,129.784 161.616,129.799 161.616,131.798 162.556,132.738 162.556,135.84 v1(162.456,135.94)
  IN2_L4 w0.1: 115.101,137.755 113.576,139.28 113.576,140.58 112.734,141.422 112.734,143.477 112.736,143.479 112.736,144 111.556,145.18 v1(111.476,145.18) 112.102,145.806 114.91,145.806 115.126,145.59 115.483,145.59 115.733,145.34 116.496,145.34 116.826,145.67 118.063,145.67 118.318,145.415 119.651,145.415 120.066,145 120.816,145 121.296,145.48 123.286,145.48 123.676,145.09 124.436,145.09 124.806,145.46 125.284,145.46 v1(125.376,145.552) 125.55,145.726 127.246,145.726 127.592,145.38 127.836,145.38 128.182,145.726 128.38,145.726 128.856,145.25 130.586,145.25 130.978,145.642 132.09,145.642 132.912,144.82 134.516,144.82 135.116,145.42 v1(139.376,145.42) 139.376,145.552 139.815,145.552 139.989,145.726 141.396,145.726 141.742,145.38 142.686,145.38 142.785,145.281 144.618,145.281 144.989,145.652 145.323,145.652 145.333,145.642 146.244,145.642 147.276,144.61 148.826,144.61 149.768,145.552 v1(153.376,145.552) 153.788,145.552 153.886,145.65 156.206,145.65 156.573,145.283 158.63,145.283 159.037,145.69 160.466,145.69 160.716,145.44 160.724,145.44 160.749,145.415 161.971,145.415 162.176,145.62 171.006,145.62 171.386,145.24 172.646,145.24 173.026,145.62 173.386,145.62 173.836,145.17 174.436,145.17 174.886,145.62 175.546,145.62 175.916,145.25 176.424,145.25 v1(176.726,145.552) 177.165,145.552 177.303,145.69 178.726,145.69 178.876,145.54 179.236,145.54 179.386,145.69 179.766,145.69 180.179,145.277 181.184,145.277 181.189,145.282 181.959,145.282 182.329,145.652 183.43,145.652 184.472,144.61 186.456,144.61 187.398,145.552 v1(190.726,145.552) 191.165,145.552 191.303,145.69 192.782,145.69 193.092,145.38 194.036,145.38 194.135,145.281 195.968,145.281 196.339,145.652 196.673,145.652 196.683,145.642 197.594,145.642 198.061,145.175 199.031,145.175 199.446,144.76 200.326,144.76 200.846,145.28 201.906,145.28 202.236,144.95 202.816,144.95 203.418,145.552 v1(204.726,145.552) 205.165,145.552 205.339,145.726 206.746,145.726 207.092,145.38 208.036,145.38 208.136,145.28 209.178,145.28 209.179,145.281 210.004,145.281 210.106,145.383 210.106,145.401 210.341,145.636 210.359,145.636 210.375,145.652 210.673,145.652 210.683,145.642 211.844,145.642 212.556,144.93 214.566,144.93 215.166,145.53 216.646,145.53 217.036,145.14 218.314,145.14 v1(218.726,145.552) 218.806,145.632 221.664,145.632 222.019,145.277 223.205,145.277 223.209,145.281 223.978,145.281 224.387,145.69 225.556,145.69 228.636,142.61 v1(228.636,142.399)
  IN2_L4 w0.254: 115.101,137.755 115.514,137.342 162.317,137.342 162.556,137.581 177.816,137.581 178.042,137.355 178.042,136.997 177.856,136.811 174.457,136.811 174.086,136.44 174.086,135.17 173.726,134.81 173.196,134.81 172.806,135.2 172.806,136.37 172.365,136.811 162.791,136.811 162.456,136.476 v1(162.456,135.94)
CS0: RT0.1 U0.H2 U1.H2 U2.H2 U3.H2 U4.H2 U5.H2 U6.H2 U7.H2 | length 224.9
  TOP w0.1: U0.H2@117.546,146.443 117.546,146.45 117.926,146.83 v1(117.926,146.834) ; U1.H2@131.546,146.443 131.546,146.45 131.926,146.83 v1(131.926,146.834) ; U2.H2@145.546,146.443 145.546,146.45 145.926,146.83 v1(145.926,146.834) ; U3.H2@159.546,146.443 159.546,146.45 159.926,146.83 v1(159.926,146.834) ; U4.H2@182.896,146.443 182.896,146.45 183.276,146.83 v1(183.276,146.834) ; U5.H2@196.896,146.443 196.896,146.45 197.276,146.83 v1(197.276,146.834) ; U6.H2@210.896,146.443 210.896,146.45 211.276,146.83 v1(211.276,146.834) ; U7.H2@224.896,146.443 224.896,146.454 v1(225.276,146.834) ; v1(228.476,144.959) 228.826,144.609 RT0.1@229.369,144.609
  IN2_L4 w0.1: 110.566,144.88 110.566,145.62 111.306,146.36 111.72,146.36 111.815,146.455 ; 111.816,146.455 112.044,146.683 114.741,146.683 114.946,146.888 116.538,146.888 116.988,146.438 117.53,146.438 v1(117.926,146.834) 118.412,146.348 120.024,146.348 120.386,146.71 120.656,146.71 121.036,146.33 122.056,146.33 122.446,146.72 123.216,146.72 123.736,146.2 124.348,146.2 124.582,146.434 129.63,146.434 129.886,146.69 130.516,146.69 130.756,146.45 131.54,146.45 v1(131.926,146.834) v1(131.926,146.834) 132.1,146.66 132.796,146.66 133.336,146.12 134.386,146.12 134.806,146.54 136.356,146.54 136.51,146.386 139.558,146.386 139.757,146.585 140.466,146.585 140.636,146.415 141.981,146.415 142.176,146.22 142.666,146.22 142.88,146.434 143.622,146.434 143.922,146.734 144.53,146.734 144.874,146.39 145.482,146.39 v1(145.926,146.834) 146.12,146.64 147.136,146.64 147.896,145.88 148.696,145.88 149.456,146.64 152.136,146.64 152.39,146.386 153.558,146.386 153.757,146.585 154.466,146.585 154.617,146.434 157.622,146.434 157.922,146.734 158.53,146.734 158.83,146.434 159.526,146.434 v1(159.926,146.834) 160.25,146.51 163.176,146.51 163.476,146.81 164.956,146.81 165.246,146.52 166.106,146.52 166.396,146.81 167.696,146.81 167.866,146.64 170.226,146.64 170.436,146.85 171.226,146.85 171.686,146.39 172.316,146.39 172.526,146.6 173.796,146.6 174.006,146.39 178.469,146.39 178.513,146.434 180.59,146.434 180.934,146.778 182.026,146.778 182.349,146.455 182.683,146.455 183.043,146.815 183.257,146.815 v1(183.276,146.834) 183.45,146.66 184.316,146.66 184.906,146.07 186.556,146.07 186.976,146.49 189.636,146.49 189.74,146.386 190.908,146.386 191.107,146.585 191.816,146.585 191.986,146.415 193.306,146.415 193.501,146.22 194.016,146.22 194.23,146.434 194.972,146.434 195.272,146.734 195.88,146.734 196.224,146.39 196.832,146.39 v1(197.276,146.834) 197.625,146.485 199.121,146.485 199.636,145.97 200.006,145.97 200.441,146.405 202.026,146.405 202.281,146.15 202.846,146.15 203.082,146.386 204.908,146.386 205.107,146.585 205.816,146.585 205.967,146.434 208.962,146.434 209.272,146.744 209.88,146.744 210.19,146.434 210.876,146.434 v1(211.276,146.834) 211.45,146.66 213.306,146.66 213.946,146.02 214.336,146.02 215.026,146.71 216.856,146.71 217.18,146.386 218.908,146.386 219.102,146.58 219.821,146.58 219.967,146.434 222.972,146.434 223.272,146.734 223.88,146.734 224.18,146.434 224.876,146.434 v1(225.276,146.834) 225.32,146.79 226.167,146.79 226.697,146.26 227.736,146.26 228.486,145.51 228.486,144.969 v1(228.476,144.959)
  IN2_L4 w0.254: 110.566,144.88 110.566,142.67 111.086,142.15 111.086,140.204 114.956,136.334 160.312,136.334 161.836,134.81 163.608,134.81 163.677,134.879 166.697,134.879 167.896,133.68 169.886,133.68 170.306,134.1 171.686,134.1 172.472,133.314 172.472,133.298 172.522,133.248 172.522,130.654 173.332,129.844 177.678,129.844 178.872,131.038 178.872,131.86 179.196,132.184 180.392,132.184 181.656,130.92 184.416,130.92 184.846,131.35 v1(184.846,131.72)
  BOTTOM w0.254: 184.601,129.784 184.846,130.029 v1(184.846,131.72)
DM<0>: R17.8 U0.B7 | length 11.7
  TOP w0.1: R17.8@112.813,133.713 v1(112.813,135.03) ; U0.B7@113.545,141.642 v1(113.96,141.227)
  IN1_L3 w0.1: v1(112.813,135.03) 112.813,134.24 112.653,134.08 112.176,134.08 111.96,134.296 111.96,135.611 112.566,136.217 112.566,137.478 114.226,139.138 114.226,140.98 113.979,141.227 v1(113.96,141.227)
DM<1>: R18.8 U1.B7 | length 14.7
  TOP w0.1: R18.8@121.713,133.713 v1(121.713,135.243) ; U1.B7@127.545,141.642 v1(127.96,141.227)
  IN1_L3 w0.1: v1(121.713,135.243) 121.426,134.956 121.426,134.61 121.626,134.41 122.076,134.41 122.26,134.594 122.26,136.53 124.15,138.42 124.856,138.42 125.784,139.348 127.814,139.348 128.226,139.76 128.226,140.961 v1(127.96,141.227)
DM<2>: R19.8 U2.B7 | length 18
  TOP w0.1: R19.8@130.663,133.713 v1(130.663,134.68) ; U2.B7@141.545,141.642 141.545,141.62 v1(141.946,141.219)
  IN1_L3 w0.1: v1(130.663,134.68) 130.663,134.303 130.796,134.17 131.016,134.17 131.176,134.33 131.176,135.48 132.472,136.776 133.81,136.776 133.814,136.78 134.242,136.78 135.933,138.471 135.933,138.475 136.067,138.609 136.067,139.301 137.276,140.51 137.276,140.83 137.476,141.03 138.026,141.03 138.63,140.426 141.153,140.426 v1(141.946,141.219)
DM<3>: R20.8 U3.B7 | length 22.9
  TOP w0.1: R20.8@139.663,133.713 139.663,134.317 v1(140.276,134.93) ; U3.B7@155.545,141.642 155.564,141.642 v1(155.956,141.25)
  IN1_L3 w0.1: v1(140.276,134.93) 141.545,136.199 142.636,136.199 142.637,136.2 143.597,136.2 143.603,136.206 143.605,136.206 144.263,136.864 146.61,136.864 148.976,139.23 152.946,139.23 153.216,138.96 153.216,138.4 153.386,138.23 154.006,138.23 154.146,138.37 154.146,139.08 154.296,139.23 155.326,139.23 156.176,140.08 156.176,140.943 155.956,141.163 v1(155.956,141.25)
DM<4>: R21.8 U4.B7 | length 21.6
  TOP w0.1: v1(178.51,141.248) 178.51,141.257 U4.B7@178.895,141.642 ; R21.8@194.663,133.713 v1(194.663,134.667)
  IN1_L3 w0.1: v1(178.51,141.248) 178.928,141.248 179.496,140.68 179.496,139.64 183.705,135.431 191.107,135.431 191.209,135.533 191.543,135.533 191.546,135.53 191.576,135.53 192.066,135.04 192.066,134.774 192.56,134.28 ; 192.561,134.28 192.563,134.278 194.274,134.278 v1(194.663,134.667)
DM<5>: R22.8 U5.B7 | length 16.9
  TOP w0.1: U5.B7@192.895,141.642 v1(193.504,141.642) ; R22.8@203.663,133.713 v1(203.663,135.043)
  IN1_L3 w0.1: v1(193.504,141.642) 193.482,141.62 193.46,141.62 193.186,141.346 193.186,140.54 193.556,140.17 ; 193.557,140.17 193.558,140.169 193.922,140.169 195.585,138.506 197.208,138.506 197.209,138.507 198.543,138.507 201.573,135.477 201.573,135.403 201.574,135.402 201.574,135.363 201.809,135.128 201.848,135.128 201.849,135.127 202.309,135.127 202.456,134.98 202.456,134.63 202.656,134.43 203.426,134.43 203.663,134.667 v1(203.663,135.043)
DM<6>: R23.8 U6.B7 | length 13.3
  TOP w0.1: U6.B7@206.895,141.642 206.916,141.642 207.31,141.248 v1(207.36,141.248) ; R23.8@212.763,133.713 v1(212.763,134.967)
  IN1_L3 w0.1: v1(207.36,141.248) 208.11,140.498 208.11,139.966 208.127,139.949 208.127,139.279 209.086,138.32 210.836,138.32 213.256,135.9 213.256,134.41 213.126,134.28 212.906,134.28 212.766,134.42 212.766,134.964 v1(212.763,134.967)
DM<7>: R24.8 U7.B7 | length 11.7
  TOP w0.1: U7.B7@220.895,141.642 221.289,141.248 v1(221.36,141.248) ; R24.8@221.813,133.713 v1(221.813,135.017)
  IN1_L3 w0.1: v1(221.36,141.248) 221.36,140.784 219.516,138.94 219.516,137.34 220.46,136.396 220.46,134.626 220.776,134.31 221.546,134.31 221.813,134.577 v1(221.813,135.017)
DQ<0>: R1.7 U0.C8 | length 14.2
  TOP w0.1: v1(110.29,135.28) 110.372,135.198 R1.7@110.372,133.713 ; v1(112.331,142.835) 112.352,142.835 U0.C8@112.745,142.442
  IN1_L3 w0.1: v1(110.29,135.28) 110.484,135.474 110.484,141.212 110.917,141.645 111.401,141.645 111.496,141.55 111.496,141.32 111.406,141.23 111.076,141.23 110.986,141.14 110.986,140.8 111.086,140.7 111.786,140.7 111.896,140.81 111.896,141.782 111.538,142.14 111.538,142.266 112.107,142.835 v1(112.331,142.835)

## Text inside footprints (layer, text, board x,y; h text height)
NRT0: PIN_NUMBER "7" at 230.259,156.884 h0.5 r270; PIN_NUMBER "8" at 230.259,157.443 h0.5 r270; PIN_NUMBER "6" at 230.259,156.376 h0.5 r270; PIN_NUMBER "5" at 230.259,155.817 h0.5 r270; PIN_NUMBER "2" at 229.293,156.884 h0.5 r270; PIN_NUMBER "4" at 229.293,155.817 h0.5 r270; PIN_NUMBER "1" at 229.293,157.443 h0.5 r270; PIN_NUMBER "3" at 229.293,156.376 h0.5 r270
NRT1: PIN_NUMBER "8" at 230.259,154.893 h0.5 r270; PIN_NUMBER "7" at 230.259,154.334 h0.5 r270; PIN_NUMBER "5" at 230.259,153.267 h0.5 r270; PIN_NUMBER "6" at 230.259,153.826 h0.5 r270; PIN_NUMBER "3" at 229.293,153.826 h0.5 r270; PIN_NUMBER "1" at 229.293,154.893 h0.5 r270; PIN_NUMBER "4" at 229.293,153.267 h0.5 r270; PIN_NUMBER "2" at 229.293,154.334 h0.5 r270
NRT2: PIN_NUMBER "8" at 230.259,152.343 h0.5 r270; PIN_NUMBER "7" at 230.259,151.784 h0.5 r270; PIN_NUMBER "6" at 230.259,151.276 h0.5 r270; PIN_NUMBER "5" at 230.259,150.717 h0.5 r270; PIN_NUMBER "3" at 229.293,151.276 h0.5 r270; PIN_NUMBER "4" at 229.293,150.717 h0.5 r270; PIN_NUMBER "1" at 229.293,152.343 h0.5 r270; PIN_NUMBER "2" at 229.293,151.784 h0.5 r270
NRT3: PIN_NUMBER "6" at 230.259,148.726 h0.5 r270; PIN_NUMBER "5" at 230.259,148.167 h0.5 r270; PIN_NUMBER "7" at 230.259,149.234 h0.5 r270; PIN_NUMBER "8" at 230.259,149.793 h0.5 r270; PIN_NUMBER "4" at 229.293,148.167 h0.5 r270; PIN_NUMBER "2" at 229.293,149.234 h0.5 r270; PIN_NUMBER "3" at 229.293,148.726 h0.5 r270; PIN_NUMBER "1" at 229.293,149.793 h0.5 r270
NRT4: PIN_NUMBER "6" at 230.259,146.176 h0.5 r270; PIN_NUMBER "5" at 230.259,145.617 h0.5 r270; PIN_NUMBER "7" at 230.259,146.684 h0.5 r270; PIN_NUMBER "8" at 230.259,147.243 h0.5 r270; PIN_NUMBER "4" at 229.293,145.617 h0.5 r270; PIN_NUMBER "1" at 229.293,147.243 h0.5 r270; PIN_NUMBER "2" at 229.293,146.684 h0.5 r270; PIN_NUMBER "3" at 229.293,146.176 h0.5 r270
R1: PIN_NUMBER "3" at 110.68,132.747 h0.5; PIN_NUMBER "1" at 109.613,132.747 h0.5; PIN_NUMBER "4" at 111.239,132.747 h0.5; PIN_NUMBER "2" at 110.172,132.747 h0.5; PIN_NUMBER "6" at 110.68,133.713 h0.5; PIN_NUMBER "8" at 109.613,133.713 h0.5; PIN_NUMBER "5" at 111.239,133.713 h0.5; PIN_NUMBER "7" at 110.172,133.713 h0.5
R2: PIN_NUMBER "4" at 120.139,132.747 h0.5; PIN_NUMBER "2" at 119.072,132.747 h0.5; PIN_NUMBER "3" at 119.58,132.747 h0.5; PIN_NUMBER "1" at 118.513,132.747 h0.5; PIN_NUMBER "5" at 120.139,133.713 h0.5; PIN_NUMBER "7" at 119.072,133.713 h0.5; PIN_NUMBER "6" at 119.58,133.713 h0.5; PIN_NUMBER "8" at 118.513,133.713 h0.5
R3: PIN_NUMBER "3" at 128.73,132.747 h0.5; PIN_NUMBER "1" at 127.663,132.747 h0.5; PIN_NUMBER "4" at 129.289,132.747 h0.5; PIN_NUMBER "2" at 128.222,132.747 h0.5; PIN_NUMBER "6" at 128.73,133.713 h0.5; PIN_NUMBER "8" at 127.663,133.713 h0.5; PIN_NUMBER "5" at 129.289,133.713 h0.5; PIN_NUMBER "7" at 128.222,133.713 h0.5
R4: PIN_NUMBER "3" at 137.58,132.747 h0.5; PIN_NUMBER "1" at 136.513,132.747 h0.5; PIN_NUMBER "4" at 138.139,132.747 h0.5; PIN_NUMBER "2" at 137.072,132.747 h0.5; PIN_NUMBER "6" at 137.58,133.713 h0.5; PIN_NUMBER "8" at 136.513,133.713 h0.5; PIN_NUMBER "5" at 138.139,133.713 h0.5; PIN_NUMBER "7" at 137.072,133.713 h0.5
R5: PIN_NUMBER "3" at 192.53,132.747 h0.5; PIN_NUMBER "1" at 191.463,132.747 h0.5; PIN_NUMBER "4" at 193.089,132.747 h0.5; PIN_NUMBER "2" at 192.022,132.747 h0.5; PIN_NUMBER "6" at 192.53,133.713 h0.5; PIN_NUMBER "8" at 191.463,133.713 h0.5; PIN_NUMBER "5" at 193.089,133.713 h0.5; PIN_NUMBER "7" at 192.022,133.713 h0.5
R6: PIN_NUMBER "3" at 201.58,132.747 h0.5; PIN_NUMBER "1" at 200.513,132.747 h0.5; PIN_NUMBER "4" at 202.139,132.747 h0.5; PIN_NUMBER "2" at 201.072,132.747 h0.5; PIN_NUMBER "6" at 201.58,133.713 h0.5; PIN_NUMBER "8" at 200.513,133.713 h0.5; PIN_NUMBER "5" at 202.139,133.713 h0.5; PIN_NUMBER "7" at 201.072,133.713 h0.5
R7: PIN_NUMBER "3" at 210.68,132.747 h0.5; PIN_NUMBER "1" at 209.613,132.747 h0.5; PIN_NUMBER "4" at 211.239,132.747 h0.5; PIN_NUMBER "2" at 210.172,132.747 h0.5; PIN_NUMBER "6" at 210.68,133.713 h0.5; PIN_NUMBER "8" at 209.613,133.713 h0.5; PIN_NUMBER "5" at 211.239,133.713 h0.5; PIN_NUMBER "7" at 210.172,133.713 h0.5
R8: PIN_NUMBER "3" at 219.83,132.747 h0.5; PIN_NUMBER "1" at 218.763,132.747 h0.5; PIN_NUMBER "4" at 220.389,132.747 h0.5; PIN_NUMBER "2" at 219.322,132.747 h0.5; PIN_NUMBER "6" at 219.83,133.713 h0.5; PIN_NUMBER "8" at 218.763,133.713 h0.5; PIN_NUMBER "5" at 220.389,133.713 h0.5; PIN_NUMBER "7" at 219.322,133.713 h0.5
R9: PIN_NUMBER "2" at 116.172,132.747 h0.5; PIN_NUMBER "1" at 115.613,132.747 h0.5; PIN_NUMBER "4" at 117.239,132.747 h0.5; PIN_NUMBER "3" at 116.68,132.747 h0.5; PIN_NUMBER "7" at 116.172,133.713 h0.5; PIN_NUMBER "8" at 115.613,133.713 h0.5; PIN_NUMBER "5" at 117.239,133.713 h0.5; PIN_NUMBER "6" at 116.68,133.713 h0.5
R10: PIN_NUMBER "2" at 125.172,132.747 h0.5; PIN_NUMBER "1" at 124.613,132.747 h0.5; PIN_NUMBER "4" at 126.239,132.747 h0.5; PIN_NUMBER "3" at 125.68,132.747 h0.5; PIN_NUMBER "7" at 125.172,133.713 h0.5; PIN_NUMBER "8" at 124.613,133.713 h0.5; PIN_NUMBER "5" at 126.239,133.713 h0.5; PIN_NUMBER "6" at 125.68,133.713 h0.5
R11: PIN_NUMBER "2" at 134.022,132.747 h0.5; PIN_NUMBER "1" at 133.463,132.747 h0.5; PIN_NUMBER "4" at 135.089,132.747 h0.5; PIN_NUMBER "3" at 134.53,132.747 h0.5; PIN_NUMBER "7" at 134.022,133.713 h0.5; PIN_NUMBER "8" at 133.463,133.713 h0.5; PIN_NUMBER "5" at 135.089,133.713 h0.5; PIN_NUMBER "6" at 134.53,133.713 h0.5
R12: PIN_NUMBER "2" at 142.922,132.747 h0.5; PIN_NUMBER "1" at 142.363,132.747 h0.5; PIN_NUMBER "4" at 143.989,132.747 h0.5; PIN_NUMBER "3" at 143.43,132.747 h0.5; PIN_NUMBER "7" at 142.922,133.713 h0.5; PIN_NUMBER "8" at 142.363,133.713 h0.5; PIN_NUMBER "5" at 143.989,133.713 h0.5; PIN_NUMBER "6" at 143.43,133.713 h0.5
R13: PIN_NUMBER "2" at 198.022,132.747 h0.5; PIN_NUMBER "1" at 197.463,132.747 h0.5; PIN_NUMBER "4" at 199.089,132.747 h0.5; PIN_NUMBER "3" at 198.53,132.747 h0.5; PIN_NUMBER "7" at 198.022,133.713 h0.5; PIN_NUMBER "8" at 197.463,133.713 h0.5; PIN_NUMBER "5" at 199.089,133.713 h0.5; PIN_NUMBER "6" at 198.53,133.713 h0.5
R14: PIN_NUMBER "2" at 207.122,132.747 h0.5; PIN_NUMBER "1" at 206.563,132.747 h0.5; PIN_NUMBER "4" at 208.189,132.747 h0.5; PIN_NUMBER "3" at 207.63,132.747 h0.5; PIN_NUMBER "7" at 207.122,133.713 h0.5; PIN_NUMBER "8" at 206.563,133.713 h0.5; PIN_NUMBER "5" at 208.189,133.713 h0.5; PIN_NUMBER "6" at 207.63,133.713 h0.5
R15: PIN_NUMBER "2" at 216.372,132.747 h0.5; PIN_NUMBER "1" at 215.813,132.747 h0.5; PIN_NUMBER "4" at 217.439,132.747 h0.5; PIN_NUMBER "3" at 216.88,132.747 h0.5; PIN_NUMBER "7" at 216.372,133.713 h0.5; PIN_NUMBER "8" at 215.813,133.713 h0.5; PIN_NUMBER "5" at 217.439,133.713 h0.5; PIN_NUMBER "6" at 216.88,133.713 h0.5
R16: PIN_NUMBER "2" at 225.072,132.747 h0.5; PIN_NUMBER "1" at 224.513,132.747 h0.5; PIN_NUMBER "4" at 226.139,132.747 h0.5; PIN_NUMBER "3" at 225.58,132.747 h0.5; PIN_NUMBER "7" at 225.072,133.713 h0.5; PIN_NUMBER "8" at 224.513,133.713 h0.5; PIN_NUMBER "5" at 226.139,133.713 h0.5; PIN_NUMBER "6" at 225.58,133.713 h0.5
R17: PIN_NUMBER "5" at 114.239,133.713 h0.5; PIN_NUMBER "6" at 113.68,133.713 h0.5; PIN_NUMBER "8" at 112.613,133.713 h0.5; PIN_NUMBER "4" at 114.239,132.747 h0.5; PIN_NUMBER "3" at 113.68,132.747 h0.5; PIN_NUMBER "1" at 112.613,132.747 h0.5; PIN_NUMBER "2" at 113.172,132.747 h0.5; PIN_NUMBER "7" at 113.172,133.713 h0.5
R18: PIN_NUMBER "5" at 123.139,133.713 h0.5; PIN_NUMBER "6" at 122.58,133.713 h0.5; PIN_NUMBER "8" at 121.513,133.713 h0.5; PIN_NUMBER "4" at 123.139,132.747 h0.5; PIN_NUMBER "3" at 122.58,132.747 h0.5; PIN_NUMBER "1" at 121.513,132.747 h0.5; PIN_NUMBER "2" at 122.072,132.747 h0.5; PIN_NUMBER "7" at 122.072,133.713 h0.5
R19: PIN_NUMBER "5" at 132.089,133.713 h0.5; PIN_NUMBER "6" at 131.53,133.713 h0.5; PIN_NUMBER "8" at 130.463,133.713 h0.5; PIN_NUMBER "4" at 132.089,132.747 h0.5; PIN_NUMBER "3" at 131.53,132.747 h0.5; PIN_NUMBER "1" at 130.463,132.747 h0.5; PIN_NUMBER "2" at 131.022,132.747 h0.5; PIN_NUMBER "7" at 131.022,133.713 h0.5
R20: PIN_NUMBER "5" at 141.089,133.713 h0.5; PIN_NUMBER "6" at 140.53,133.713 h0.5; PIN_NUMBER "8" at 139.463,133.713 h0.5; PIN_NUMBER "4" at 141.089,132.747 h0.5; PIN_NUMBER "3" at 140.53,132.747 h0.5; PIN_NUMBER "1" at 139.463,132.747 h0.5; PIN_NUMBER "2" at 140.022,132.747 h0.5; PIN_NUMBER "7" at 140.022,133.713 h0.5
R21: PIN_NUMBER "5" at 196.089,133.713 h0.5; PIN_NUMBER "6" at 195.53,133.713 h0.5; PIN_NUMBER "8" at 194.463,133.713 h0.5; PIN_NUMBER "4" at 196.089,132.747 h0.5; PIN_NUMBER "3" at 195.53,132.747 h0.5; PIN_NUMBER "1" at 194.463,132.747 h0.5; PIN_NUMBER "2" at 195.022,132.747 h0.5; PIN_NUMBER "7" at 195.022,133.713 h0.5